# Altium PCB ascii of BOC1_06.PcbDoc (part 3 of 4)
Units mil, origin at the board's own origin, x right, y up, seen from the top; angles counter-clockwise.
Board outline 7900 x 6500 mil, 2 copper layers (Top Layer, Bottom Layer); 312 components, 413 nets, 1710 pads, 368 vias.
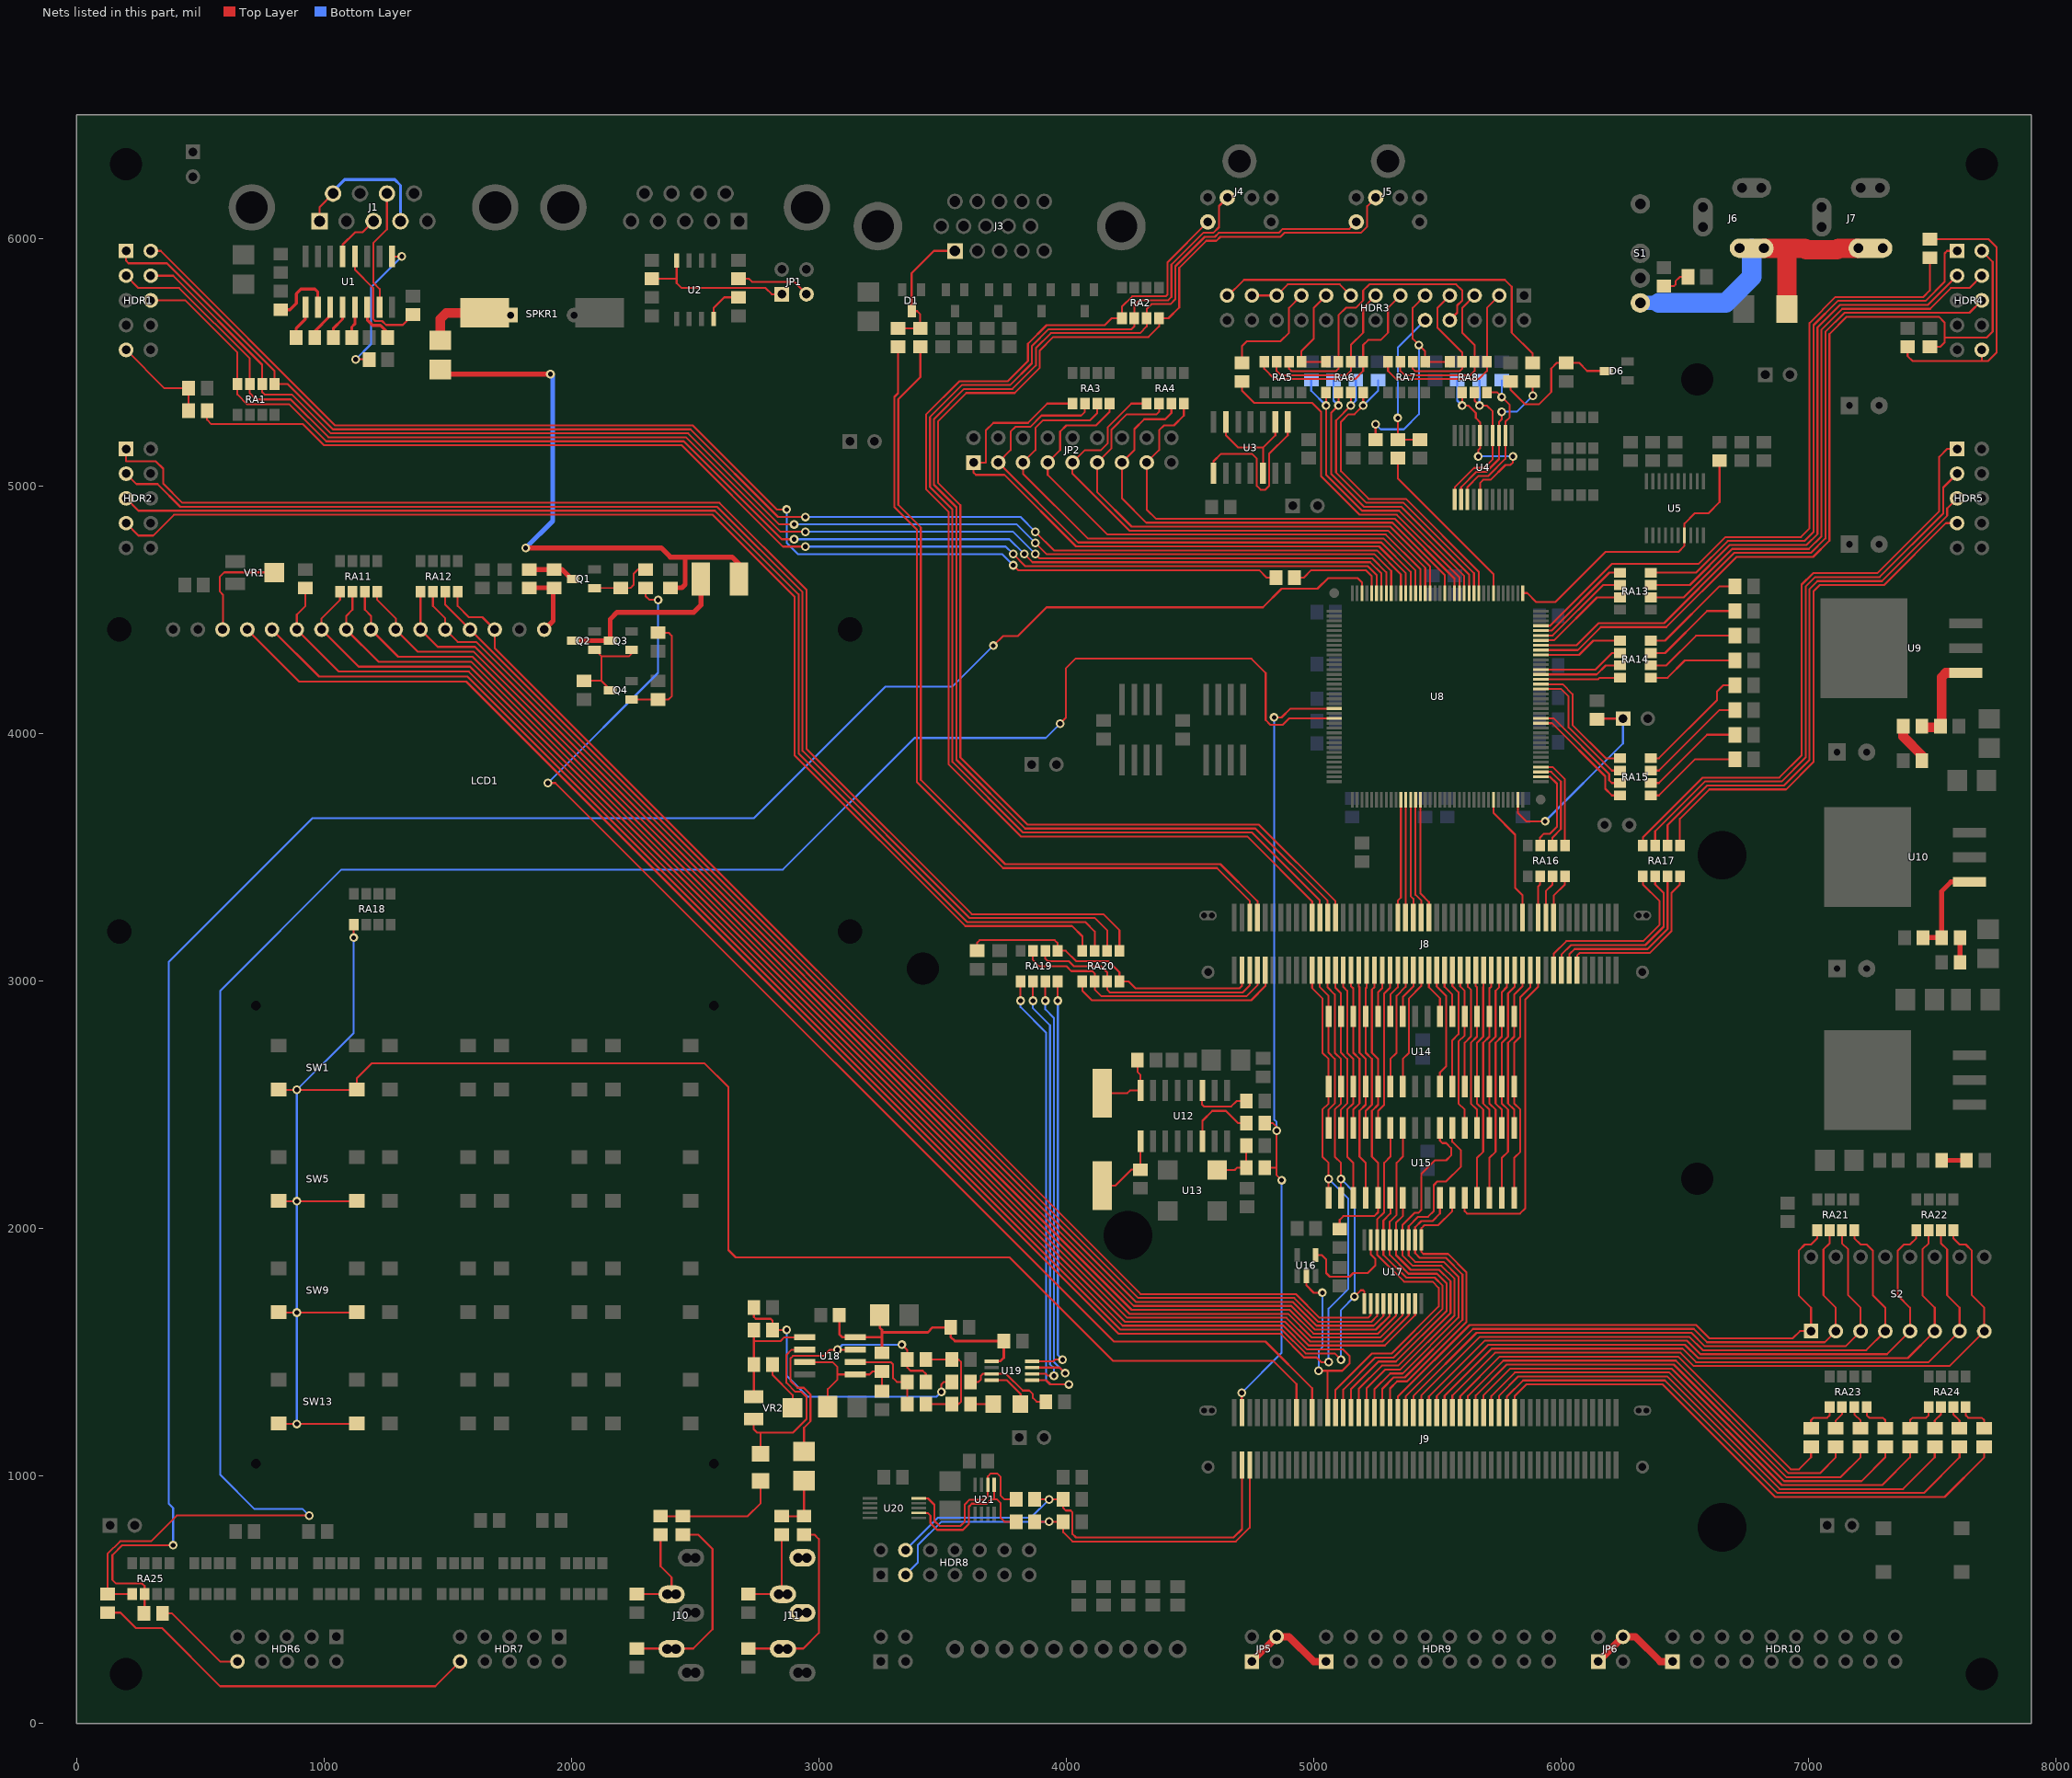
[diagram p3: the nets of this part, all layers, seen from the top]

## Via types
v1: diameter 35.43, hole 19.68, Top Layer to Bottom Layer, 194 vias
v2: diameter 35.43, hole 19.68, Top Layer to Bottom Layer, tented both sides, 169 vias
v3: diameter 50, hole 27.56, Top Layer to Bottom Layer, 5 vias

## Nets (pads, with @x,y where several pads share a name; then routed paths per layer and width w, separated by ;. In a path a pad name is that pad's centre, name@x,y a point inside that pad or via, vN(x,y) a via of type N, cw(c..) or ccw(c..) an arc to the next point about the centre after c; other vN are vias at no path point) (continued)
JIOA0: J8.3 R45.1 RA19.5 RA20.4 | length 1295.1
  Top Layer w7.87: R45.1@3640,3122.4 3640,3155 3650,3165 3953,3165 3965,3153 RA19.5@3965,3122 3998,3122 4040,3080 4170,3080 4215,3035 RA20.4@4215,2998 4252,2998 4280,2970 4700,2970 4709.84,2979.84 J8.3@4709.84,3043.7
JIOA0#: HDR2.1 RA20.5 | length 5344.2
  Top Layer w7.87: HDR2.1@200,5150 200,5100 320,5100 350,5070 350,5010 428,4932 2598,4932 2950,4580 2950,3938 3618,3270 4150,3270 4215,3205 RA20.5@4215,3122
JIOA1: J8.5 RA19.6 RA20.3 | length 1029.4
  Top Layer w7.87: RA19.6@3915,3122 3915,3090 3925,3080 4010,3080 4030,3060 4140,3060 4165,3035 4165,2965 4176,2954 4714,2954 4741.34,2981.34 J8.5@4741.34,3043.7
JIOA1#: HDR2.3 RA20.6 | length 5187.7
  Top Layer w7.87: HDR2.3@200,5050 242,5008 327,5008 419,4916 2589,4916 2934,4571 2934,3930 3610,3254 4116,3254 4165,3205 RA20.6@4165,3122
JIOA2: J8.7 RA19.7 RA20.2 | length 1123.2
  Top Layer w7.87: RA19.7@3865,3122 3865,3085 3890,3060 4000,3060 4020,3040 4105,3040 4115,3030 4115,2965 4142,2938 4728,2938 4772.83,2982.83 J8.7@4772.83,3043.7
JIOA2#: HDR2.5 RA20.7 | length 5093.9
  Top Layer w7.87: HDR2.5@200,4950 250,4900 2580,4900 2918,4562 2918,3920 3600,3238 4077,3238 4115,3200 RA20.7@4115,3122
JIOA3: J8.9 RA20.1 | length 881.2
  Top Layer w7.87: RA20.1@4065,2998 4065,2960 4103,2922 4747,2922 4804.33,2979.33 J8.9@4804.33,3043.7
JIOA3#: HDR2.7 RA20.8 | length 5059.8
  Top Layer w7.87: HDR2.7@200,4850 250,4800 310,4800 394,4884 2571,4884 2902,4553 2902,3912 3592,3222 4023,3222 4065,3180 RA20.8@4065,3122
JIOB0: J8.83 RA17.1 | length 766.5
  Top Layer w7.87: J8.83@5969.69,3043.7 5969.69,3109.69 6021,3161 6331,3161 6398,3228 6398,3322 6330,3390 RA17.1@6330,3423
JIOB0#: HDR5.1 RA17.8 | length 2486.4
  Top Layer w7.87: RA17.8@6330,3547 6330,3580 6572,3822 6882,3822 6972,3912 6972,4602 7018,4648 7278,4648 7528,4898 7528,5118 7560,5150 HDR5.1@7600,5150
JIOB1: J8.85 RA17.2 | length 740.1
  Top Layer w7.87: J8.85@6001.18,3043.7 6001.18,3106.18 6040,3145 6340,3145 6414,3219 6414,3356 6380,3390 RA17.2@6380,3423
JIOB1#: HDR5.3 RA17.7 | length 2342.2
  Top Layer w7.87: RA17.7@6380,3547 6380,3605 6581,3806 6891,3806 6988,3903 6988,4593 7027,4632 7287,4632 7544,4889 7544,4994 HDR5.3@7600,5050
JIOB2: J8.87 RA17.3 | length 716.7
  Top Layer w7.87: J8.87@6032.68,3043.7 6032.68,3107.68 6054,3129 6349,3129 6430,3210 RA17.3@6430,3423
JIOB2#: HDR5.5 RA17.6 | length 2221.5
  Top Layer w7.87: RA17.6@6430,3547 6430,3630 6590,3790 6900,3790 7004,3894 7004,4584 7036,4616 7296,4616 7560,4880 7560,4910 HDR5.5@7600,4950
JIOB3: J8.89 RA17.4 | length 717.9
  Top Layer w7.87: J8.89@6064.17,3043.7 6064.17,3103.17 6074,3113 6358,3113 6446,3201 6446,3356 6480,3390 RA17.4@6480,3423
JIOB3#: HDR5.7 RA17.5 | length 2127.2
  Top Layer w7.87: RA17.5@6480,3547 6480,3655 6599,3774 6909,3774 7020,3885 7020,4575 7045,4600 7305,4600 7555,4850 HDR5.7@7600,4850
JTAG_CNCT_A: R70.1 RA25.2 U8.106 | length 8488.7
  Top Layer w7.87: R70.1@275,447.4 275,555 265,565 160,565 145,580 145,680 185,720 v1(390,720) ; v2(3705,4355) 3744,4394 3804,4394 3920,4510 4795,4510 4870,4585 5015,4585 5058,4628 5177,4628 5194.88,4610.12 U8.106@5194.88,4567.32
  Bottom Layer w7.87: v1(390,720) 390,870 373,887 373,3078 953,3658 2738,3658 3270,4190 3540,4190 v2(3705,4355)
JTAG_CNCT_A#: HDR6.10 R70.2 | length 383.4
  Top Layer w7.87: R70.2@347.4,445 385,445 580,250 HDR6.10@650,250
JTAG_CNCT_B: R69.1 RA25.1 U8.131 | length 8932.3
  Top Layer w7.87: RA25.1@225,523 125,523 125,685 176,736 301,736 405,840 v1(940,840) ; v2(3975,4040) 3998,4063 3998,4263 4037,4302 4748,4302 4806,4244 4806,4054 4825,4035 4875,4035 4901.42,4061.42 U8.131@5082.68,4061.42
  Bottom Layer w7.87: v1(940,840) 914,866 719,866 581,1004 581,2961 1070,3450 2855,3450 3387,3982 3917,3982 v2(3975,4040)
JTAG_CNCT_B#: HDR7.10 R69.2 | length 1589.7
  Top Layer w7.87: R69.2@125,447.6 177.4,447.6 240,385 345,385 580,150 1450,150 HDR7.10@1550,250
KBCLOCK: J4.5 J8.22 RA2.1 | length 4820.3
  Top Layer w7.87: J4.5@4572.05,6066.93 4409,5903.88 4409,5774 4401.57,5766.57 4266.57,5766.57 4225,5725 RA2.1@4225,5678 4183,5678 4155,5650 3920,5650 3845,5575 3845,5505 3764,5424 3569,5424 3433,5288 3433,4987 3524,4896 3524,3876 3816,3584 4731,3584 4993.31,3321.69 J8.22@4993.31,3256.3
KBDATA: J4.1 J8.24 RA2.2 | length 5003.6
  Top Layer w7.87: J4.1@4650.79,6165.35 4617,6131.57 4617,6046 4594,6023 4553.39,6023 4424.75,5894.36 4424.75,5763.75 4411.82,5750.82 4295.82,5750.82 4275,5730 RA2.2@4275,5678 4275,5645 4264,5634 3929,5634 3861,5566 3861,5496 3773,5408 3578,5408 3449,5279 3449,4996 3540,4905 3540,3885 3825,3600 4750,3600 5024.8,3325.2 J8.24@5024.8,3256.3
LCD_BCKL: J9.22 R35.1 | length 5212.7
  Top Layer w7.87: v2(1905,3800) 1935,3800 4192,1543 4805,1543 4993.31,1354.69 J9.22@4993.31,1256.3 ; R35.1@2300,4587.6 2300,4555 2315,4540 v2(2350,4540)
  Bottom Layer w7.87: v2(1905,3800) 2350,4245 v2(2350,4540)
LCD_D0: LCD1.7 RA11.1 U17.9 | length 5899.2
  Top Layer w7.87: RA11.1@1065,4573 1065,4540 990,4465 LCD1.7@990,4420 1140,4270 1590,4270 4237,1623 4883.81,1623 4979.81,1527 5287,1527 5409.57,1649.57 U17.9@5409.57,1696.06
LCD_D1: LCD1.8 RA11.2 U17.8 | length 5740
  Top Layer w7.87: RA11.2@1115,4573 1115,4500 1090,4475 LCD1.8@1090,4420 1220,4290 1595,4290 4246,1639 4890.08,1639 4986.08,1543 5278,1543 5383.98,1648.98 U17.8@5383.98,1696.06
LCD_D2: LCD1.9 RA11.3 U17.7 | length 5601.5
  Top Layer w7.87: RA11.3@1165,4573 1165,4500 1190,4475 LCD1.9@1190,4420 1300,4310 1600,4310 4255,1655 4896.35,1655 4992.35,1559 5269,1559 5358.39,1648.39 U17.7@5358.39,1696.06
LCD_D3: LCD1.10 RA11.4 U17.6 | length 5483.7
  Top Layer w7.87: RA11.4@1215,4573 1215,4540 1290,4465 LCD1.10@1290,4420 1380,4330 1605,4330 4264,1671 4902.63,1671 4998.63,1575 5260,1575 5332.8,1647.8 U17.6@5332.8,1696.06
LCD_D4: LCD1.11 RA12.1 U17.5 | length 5314.2
  Top Layer w7.87: RA12.1@1390,4573 LCD1.11@1390,4420 1460,4350 1610,4350 4273,1687 4908.9,1687 5004.9,1591 5251,1591 5307.2,1647.2 U17.5@5307.2,1696.06
LCD_D5: LCD1.12 RA12.2 U17.4 | length 5196.4
  Top Layer w7.87: RA12.2@1440,4573 1440,4515 1490,4465 LCD1.12@1490,4420 1540,4370 1615,4370 4282,1703 4915.17,1703 5011.17,1607 5242,1607 5281.61,1646.61 U17.4@5281.61,1696.06
LCD_D6: LCD1.13 RA12.3 U17.3 | length 5078.6
  Top Layer w7.87: RA12.3@1490,4573 1490,4520 4291,1719 4921.44,1719 5017.44,1623 5233,1623 5256.02,1646.02 U17.3@5256.02,1696.06
LCD_D7: LCD1.14 RA12.4 U17.2 | length 5034.6
  Top Layer w7.87: RA12.4@1540,4573 1540,4515 1585,4470 1640,4470 LCD1.14@1690,4420 1690,4345 4300,1735 4927.71,1735 5023.71,1639 5220,1639 5230.43,1649.43 U17.2@5230.43,1696.06
LCD_E: J9.26 LCD1.6 R29.1 U16.2 | length 6425.3
  Top Layer w7.87: R29.1@925,4587.6 925,4515 890,4480 LCD1.6@890,4420 1060,4250 1585,4250 4228,1607 4877.54,1607 4973.54,1511 5119,1511 5145,1485 5145,1455 5115,1425 v2(5020,1425) ; U16.2@4970,1807.68 4970,1770 5000,1740 v1(5035,1740) ; J9.26@5056.3,1256.3 5056.3,1425
  Bottom Layer w7.87: v2(5020,1425) 5020,1505 5035,1520 v1(5035,1740)
LCD_EN: U16.4 U17.19 | length 440.3
  Top Layer w7.87: U16.4@5007.4,1892.32 5032.68,1892.32 5050,1875 5050,1820 5065,1805 5145,1805 5160,1820 5219,1820 5249,1850 5249,1876 5230.43,1894.57 U17.19@5230.43,1953.94
LED0: J9.60 LED0.1 | length 1801
  Top Layer w7.87: J9.60@5591.73,1256.3 5591.73,1321.73 5752,1482 6473,1482 6928,1027 6962,1027 7010,1075 LED0.1@7010,1117.6
LED0#: LED0.2 RA23.1 | length 148.9
  Top Layer w7.87: LED0.2@7010,1192.4 7010,1225 7020,1235 7075,1235 7085,1245 RA23.1@7085,1278
LED1: J9.62 LED1.1 | length 1870.4
  Top Layer w7.87: J9.62@5623.23,1256.3 5623.23,1323.23 5766,1466 6464,1466 6919,1011 7046,1011 7110,1075 LED1.1@7110,1117.6
LED1#: LED1.2 RA23.2 | length 96
  Top Layer w7.87: LED1.2@7110,1192.4 7110,1224 7135,1249 RA23.2@7135,1278
LED2: J9.64 LED2.1 | length 1939.8
  Top Layer w7.87: J9.64@5654.72,1256.3 5654.72,1324.72 5780,1450 6455,1450 6910,995 7130,995 7210,1075 LED2.1@7210,1117.6
LED2#: LED2.2 RA23.3 | length 96
  Top Layer w7.87: RA23.3@7185,1278 7185,1249 7210,1224 LED2.2@7210,1192.4
LED3: J9.66 LED3.1 | length 2009.2
  Top Layer w7.87: J9.66@5686.22,1256.3 5686.22,1326.22 5794,1434 6446,1434 6901,979 7214,979 7310,1075 LED3.1@7310,1117.6
LED3#: LED3.2 RA23.4 | length 148.9
  Top Layer w7.87: RA23.4@7235,1278 7235,1245 7245,1235 7300,1235 7310,1225 LED3.2@7310,1192.4
LED4: J9.68 LED4.1 | length 2075.6
  Top Layer w7.87: J9.68@5717.72,1256.3 5717.72,1322.72 5813,1418 6437,1418 6892,963 7298,963 7410,1075 LED4.1@7410,1117.6
LED4#: LED4.2 RA24.1 | length 148.9
  Top Layer w7.87: LED4.2@7410,1192.4 7410,1225 7420,1235 7475,1235 7485,1245 RA24.1@7485,1278
LED5: J9.70 LED5.1 | length 2145
  Top Layer w7.87: J9.70@5749.21,1256.3 5749.21,1324.21 5827,1402 6428,1402 6883,947 7382,947 7510,1075 LED5.1@7510,1117.6
LED5#: LED5.2 RA24.2 | length 96
  Top Layer w7.87: LED5.2@7510,1192.4 7510,1224 7535,1249 RA24.2@7535,1278
LED6: J9.72 LED6.1 | length 2211.5
  Top Layer w7.87: J9.72@5780.71,1256.3 5780.71,1320.71 5846,1386 6419,1386 6874,931 7466,931 7610,1075 LED6.1@7610,1117.6
LED6#: LED6.2 RA24.3 | length 96
  Top Layer w7.87: RA24.3@7585,1278 7585,1249 7610,1224 LED6.2@7610,1192.4
LED7: J9.74 LED7.1 | length 2280.8
  Top Layer w7.87: J9.74@5812.21,1256.3 5812.2,1322.21 5860,1370 6410,1370 6865,915 7550,915 7710,1075 LED7.1@7710,1117.6
LED7#: LED7.2 RA24.4 | length 148.9
  Top Layer w7.87: RA24.4@7635,1278 7635,1245 7645,1235 7700,1235 7710,1225 LED7.2@7710,1192.4
MASTER: R8.2 U8.103 | length 5097.2
  Top Layer w7.87: R8.2@527.4,5305 527.4,5267.6 545,5250 915,5250 1000,5165 2445,5165 2855,4755 v1(2945,4755) ; v1(3785,4725) 3834,4676 5219,4676 5253.94,4641.06 U8.103@5253.94,4567.32
  Bottom Layer w7.87: v1(2945,4755) 3755,4755 v1(3785,4725)
MASTER#: HDR1.9 R7.2 R8.1 | length 406.8
  Top Layer w7.87: HDR1.9@200,5550 355,5395 R7.2@452.6,5395 R8.1@452.6,5305
MASTER_MODE: HDR1.6 RA1.8 U8.102 | length 5609.4
  Top Layer w7.87: HDR1.6@300,5750 440,5750 650,5540 650,5370 690,5330 860,5330 1009,5181 2454,5181 2850,4785 v1(2900,4785) ; v1(3830,4725) 3863,4692 5228,4692 5273.62,4646.38 U8.102@5273.62,4567.32
  Bottom Layer w7.87: v1(2900,4785) 3770,4785 v1(3830,4725)
MASTER_TCK: HDR1.3 RA1.7 U8.101 | length 5756
  Top Layer w7.87: HDR1.3@200,5850 250,5800 415,5800 700,5515 700,5375 725,5350 865,5350 1018,5197 2463,5197 2845,4815 v1(2945,4815) ; v1(3875,4725) 3892,4708 5237,4708 5293.31,4651.69 U8.101@5293.31,4567.32
  Bottom Layer w7.87: v1(2945,4815) 3785,4815 v1(3875,4725)
MASTER_TDI: HDR1.1 RA1.5 U8.98 | length 5823.7
  Top Layer w7.87: HDR1.1@200,5950 200,5910 210,5900 365,5900 800,5465 RA1.5@800,5412 853,5412 1036,5229 2481,5229 2835,4875 v1(2945,4875) ; v1(3875,4815) 3950,4740 5255,4740 5352.36,4642.64 U8.98@5352.36,4567.32
  Bottom Layer w7.87: v1(2945,4875) 3815,4875 v1(3875,4815)
MASTER_TDO: HDR1.2 R36.1 | length 5173.4
  Top Layer w7.87: HDR1.2@300,5950 340,5950 1045,5245 2490,5245 2830,4905 v1(2870,4905) ; v1(3785,4680) 3805,4660 4780,4660 4810,4630 R36.1@4847.6,4630
  Bottom Layer w7.87: v1(2870,4905) 2870,4770 2915,4725 3740,4725 v1(3785,4680)
MASTER_TDO#: R36.2 U8.104 | length 402.7
  Top Layer w7.87: R36.2@4922.4,4630 4960,4630 4990,4660 5210,4660 5234.25,4635.75 U8.104@5234.25,4567.32
MASTER_TMS: HDR1.4 RA1.6 U8.100 | length 5661.3
  Top Layer w7.87: HDR1.4@300,5850 390,5850 750,5490 750,5380 760,5370 870,5370 1027,5213 2472,5213 2840,4845 v1(2900,4845) ; v1(3875,4770) 3921,4724 5246,4724 5312.99,4657.01 U8.100@5312.99,4567.32
  Bottom Layer w7.87: v1(2900,4845) 3800,4845 v1(3875,4770)
MODE: C85.1 RA6.4 U8.82 | length 1308.8
  Top Layer w7.87: RA6.4@5200,5378 v2(5200,5325) 5165,5290 5140,5290 5110,5260 5110,5060 5222,4948 5372,4948 5667.32,4652.68 U8.82@5667.32,4567.32
  Bottom Layer w7.87: v2(5200,5325) 5260,5385 C85.1@5260,5427.6
MODE_1: JP2.1 RA3.1 U8.97 | length 2611
  Top Layer w7.87: RA3.1@4025,5333 3923,5333 3845,5255 3705,5255 3675,5225 3675,5095 JP2.1@3625,5095 3625,5055 3635,5045 3750,5045 4039,4756 5264,4756 5372.05,4647.95 U8.97@5372.05,4567.32
MODE_2: JP2.3 RA3.2 U8.96 | length 2447.5
  Top Layer w7.87: RA3.2@4075,5333 4075,5300 4060,5285 3900,5285 3854,5239 3794,5239 3775,5220 3775,5145 JP2.3@3725,5095 4048,4772 5273,4772 5391.73,4653.27 U8.96@5391.73,4567.32
MODE_3: JP2.5 RA3.3 U8.95 | length 2358.4
  Top Layer w7.87: RA3.3@4125,5333 4125,5295 4095,5265 3905,5265 3875,5235 3875,5145 JP2.5@3825,5095 3825,5050 4087,4788 5282,4788 5411.42,4658.58 U8.95@5411.42,4567.32
MODE_4: JP2.7 RA3.4 U8.94 | length 2222.4
  Top Layer w7.87: RA3.4@4175,5333 4175,5300 4120,5245 4000,5245 3975,5220 3975,5145 JP2.7@3925,5095 3925,5045 4166,4804 5291,4804 5431.1,4663.9 U8.94@5431.1,4567.32
MODE_5: JP2.9 RA4.1 U8.93 | length 2167.1
  Top Layer w7.87: RA4.1@4325,5333 4263,5333 4167,5237 4167,5172 4140,5145 4075,5145 JP2.9@4025,5095 4025,5050 4255,4820 5300,4820 5450.79,4669.21 U8.93@5450.79,4567.32
MODE_6: JP2.11 RA4.2 U8.92 | length 2109
  Top Layer w7.87: RA4.2@4375,5333 4375,5300 4365,5290 4245,5290 4183,5228 4183,5153 JP2.11@4125,5095 4125,4975 4264,4836 5309,4836 5470.47,4674.53 U8.92@5470.47,4567.32
MODE_7: JP2.13 RA4.3 U8.89 | length 2021.5
  Top Layer w7.87: RA4.3@4425,5333 4425,5295 4400,5270 4315,5270 4275,5230 4275,5145 JP2.13@4225,5095 4225,4950 4323,4852 5318,4852 5529.53,4640.47 U8.89@5529.53,4567.32
MODE_8: JP2.15 RA4.4 U8.87 | length 1931.8
  Top Layer w7.87: RA4.4@4475,5333 4475,5285 4435,5245 4395,5245 4375,5225 4375,5145 JP2.15@4325,5095 4325,4905 4362,4868 5327,4868 5568.9,4626.1 U8.87@5568.9,4567.32
MOUSECLOCK: J5.5 J8.26 RA2.3 | length 5414.9
  Top Layer w7.87: J8.26@5056.3,3256.3 5056.3,3323.7 4764,3616 3834,3616 3556,3894 3556,4914 3465,5005 3465,5270 3587,5392 3782,5392 3877,5487 3877,5557 3938,5618 4298,5618 4325,5645 RA2.3@4325,5678 4325,5715 4345.07,5735.07 4421.07,5735.07 4440.5,5754.5 4440.5,5887.84 4559.66,6007 4600.27,6007 4616.27,6023 4859,6023 4874.75,6038.75 5143.87,6038.75 J5.5@5172.05,6066.93
MOUSEDATA: J5.1 J8.28 RA2.4 | length 5564.2
  Top Layer w7.87: J8.28@5087.79,3256.3 5087.79,3322.21 4778,3632 3843,3632 3572,3903 3572,4923 3481,5014 3481,5261 3596,5376 3791,5376 3893,5478 3893,5548 3947,5602 4332,5602 4375,5645 RA2.4@4375,5678 4413,5678 4456.24,5721.24 4456.24,5881.31 4565.93,5991 4606.54,5991 4622.54,6007 4865.27,6007 4881.27,6023 5190,6023 5216,6049 5216,6130.57 J5.1@5250.79,6165.35
N_TCK: C88.1 RA6.1 U8.85 | length 1257.2
  Top Layer w7.87: RA6.1@5050,5378 5050,5045 5195,4900 5345,4900 5608.27,4636.73 U8.85@5608.27,4567.32
  Bottom Layer w7.87: C88.1@4990,5427.6 4990,5385 v2(5050,5325)
N_TDI: C86.1 RA6.3 U8.83 | length 1265.3
  Top Layer w7.87: RA6.3@5150,5378 v2(5150,5325) 5090,5265 5090,5055 5213,4932 5363,4932 5647.64,4647.36 U8.83@5647.64,4567.32
  Bottom Layer w7.87: v2(5150,5325) 5170,5345 C86.1@5170,5427.6
N_TDO: R16.2 U8.86 | length 1444.7
  Top Layer w7.87: R16.2@4710,5422.6 4710,5385 4759,5336 4994,5336 5030,5300 5030,5040 5186,4884 5336,4884 5588.58,4631.42 U8.86@5588.58,4567.32
N_TDO#: HDR3.10 R16.1 | length 451.1
  Top Layer w7.87: R16.1@4710,5497.4 4710,5565 4730,5585 4865,5585 4900,5620 4900,5720 HDR3.10@4950,5770
N_TMS: C87.1 RA6.2 U8.84 | length 1253
  Top Layer w7.87: RA6.2@5100,5378 v2(5100,5325) 5070,5295 5070,5050 5204,4916 5354,4916 5627.95,4642.05 U8.84@5627.95,4567.32
  Bottom Layer w7.87: C87.1@5080,5427.6 5080,5345 v2(5100,5325)
N_TMS#: HDR3.17 RA5.6 RA6.7 | length 1178.6
  Top Layer w7.87: RA5.6@4900,5502 4900,5474 4910,5464 5090,5464 5100,5474 5100,5690 5130,5720 5170,5720 5200,5750 5200,5790 5225,5815 5575,5815 5600,5790 5600,5750 5580,5730 5580,5700 HDR3.17@5550,5670
NetC3_2: C3.2 U1.2 | length 273.6
  Top Layer w11.81: C3.2@825.1,5712.6 862.6,5712.6 888,5738 888,5777 907,5796 963,5796 975,5784 U1.2@975,5722.64
NetC6_1: C6.1 U1.1 | length 138.1
  Top Layer w11.81: C6.1@887.6,5600 887.6,5637.6 925,5675 U1.1@925,5722.64
NetC6_2: C6.2 U1.3 | length 148.6
  Top Layer w11.81: C6.2@962.4,5600 962.4,5625.1 1025,5687.7 U1.3@1025,5722.64
NetC7_1: C7.1 U1.4 | length 138.1
  Top Layer w11.81: C7.1@1037.6,5600 1037.6,5636.6 1075,5674 U1.4@1075,5722.64
NetC7_2: C7.2 U1.5 | length 127.9
  Top Layer w11.81: C7.2@1112.4,5600 1112.4,5642.4 1125,5655 U1.5@1125,5722.64
NetC8_1: C8.1 U1.6 | length 174.9
  Top Layer w11.81: U1.6@1175,5722.64 1175,5671 1197,5649 1227.95,5649 1257.4,5619.54 C8.1@1257.4,5600
NetC9_1: C9.1 C18.1 L1.2 | length 2315.7
  Top Layer w19.68: C9.1@1470,5470.95 1488.94,5452 v2(1915,5452) ; v2@1815.57,4750 2362.57,4750 2399.57,4713 2648.57,4713 2678.35,4683.23 L1.2@2678.35,4626.57 ; C18.1@2401.48,4588.6 2446.17,4588.6 2459.57,4602 2459.57,4703
  Bottom Layer w19.68: v2@1815.57,4750 1924.6,4859.02 1924.6,5442.4 v2(1915,5452)
  other v2: 1815,4750
NetC9_2: C9.2 SPKR1.1 SPKR1.1A | length 276.6
  Top Layer w39.37: C9.2@1470,5589.06 1470,5675 1494,5700 SPKR1.1@1650,5700
NetC28_1: C28.1 CR1.1 U12.16 | length 287.1
  Top Layer w7.87: CR1.1@4145,2547.01 4247.01,2547.01 4257.36,2557.36 U12.16@4300,2557.36 4300,2620 4287.6,2632.4 C28.1@4287.6,2680
NetC31_1: C31.1 CR1.2 U12.1 | length 296.9
  Top Layer w7.87: CR1.2@4145,2172.99 4197.99,2172.99 4262.4,2237.4 C31.1@4300,2237.4 U12.1@4300,2352.64
NetC36_1: C36.1 R60.2 R67.1 | length 1144
  Top Layer w7.87: C36.1@2737.6,1680 2737.6,1642.4 2745,1635 2805,1635 2812.4,1627.6 R60.2@2812.4,1590 v1(2870,1590) ; v1(3495,1340) 3495,1370 3505,1380 R67.1@3537.6,1380
  Bottom Layer w7.87: v1(2870,1590) 2870,1405 2955,1320 3475,1320 v1(3495,1340)
NetC37_2: C37.2 C38.1 C42.1 R61.2 R63.2 U18.8 U19.1 | length 1079.8
  Top Layer w9.84: C37.2@3082.4,1650 3082.4,1572.6 3095,1560 3255,1560 ; C38.1@3245.95,1650 3245.95,1599.05 3255,1590 R63.2@3255,1497.4 ; 3255,1580 3440,1580 3460,1600 R61.2@3532.6,1600 3532.6,1562.4 3550,1545 C42.1@3747.6,1545 3747.6,1477.6 3733.39,1463.39 U19.1@3698.31,1463.39
NetC39_1: C39.1 R63.1 R65.2 U18.3 U18.5 | length 582.2
  Top Layer w7.87: U18.3@2942.64,1460 3055,1460 3075,1440 3075,1390 3035.95,1350.95 C39.1@3035.95,1280 ; 3075,1410 3205,1410 3217.6,1422.6 R63.1@3255,1422.6 R65.2@3255,1342.4
NetC40_1: C40.1 R66.2 U18.6 | length 365.6
  Top Layer w7.87: U18.6@3147.36,1460 3290,1460 3300,1450 3300,1395 3315,1380 C40.1@3357.6,1380 R66.2@3357.6,1290
NetC40_2: C40.2 C46.1 R64.1 U18.7 | length 1199.7
  Top Layer w7.87: C46.1@2940,1099.05 2940,1195 2966,1221 2966,1329 2939,1356 2914,1356 2885,1385 2885,1475 2895,1485 3020,1485 3045,1510 U18.7@3147.36,1510 ; v1(3335,1530) 3357.6,1507.4 3357.6,1437.4 3370,1425 3420,1425 3432.4,1412.6 C40.2@3432.4,1380
  Bottom Layer w7.87: v1(3075,1510) 3095,1530 v1(3335,1530)
NetC41_1: C41.1 R64.2 R66.1 R68.1 | length 453.5
  Top Layer w7.87: R66.1@3432.4,1290 3565,1290 3575,1300 3575,1460 3565,1470 R64.2@3432.4,1470
NetC43_1: C43.1 R68.2 | length 92.5
  Top Layer w7.87: R68.2@3612.4,1290 C43.1@3704.88,1290
NetC43_2: C43.2 U19.4 | length 180.8
  Top Layer w7.87: U19.4@3698.31,1386.61 3759.39,1386.61 3815.12,1330.88 C43.2@3815.12,1290
NetC44_1: C44.1 R67.2 U19.3 | length 382.6
  Top Layer w7.87: R67.2@3612.4,1380 3645,1380 3655,1390 3655,1405 3662.2,1412.2 3756.8,1412.2 3824,1345 3850,1345 3865,1330 3865,1315 3880,1300 C44.1@3917.6,1300
NetC45_1: C45.1 R71.2 R72.2 | length 516.7
  Top Layer w7.87: R71.2@2360,837.4 2712.4,837.4 2765,890 C45.1@2765,979.88
NetC45_2: C45.2 U18.2 VR2.CCW | length 757.6
  Top Layer w7.87: VR2.CCW@2736.26,1229.72 2736.26,1188.74 2750,1175 2895,1175 2950,1230 2950,1320 2930,1340 2905,1340 2869,1376 2869,1489 2890,1510 U18.2@2942.64,1510 ; C45.2@2765,1090.12 2765,1175